# Altium PCB ESIMA_EIS.PcbDoc (part 2 of 3)
Units mm, origin at the board's own origin, x right, y up, seen from the top; angles counter-clockwise.
Board outline 83.45 x 62 mm, 4 copper layers (Top Layer, Signal Layer 1, Signal Layer 2, Bottom Layer), stack 1.583 mm thick; 170 components, 171 nets, 674 pads, 365 vias.
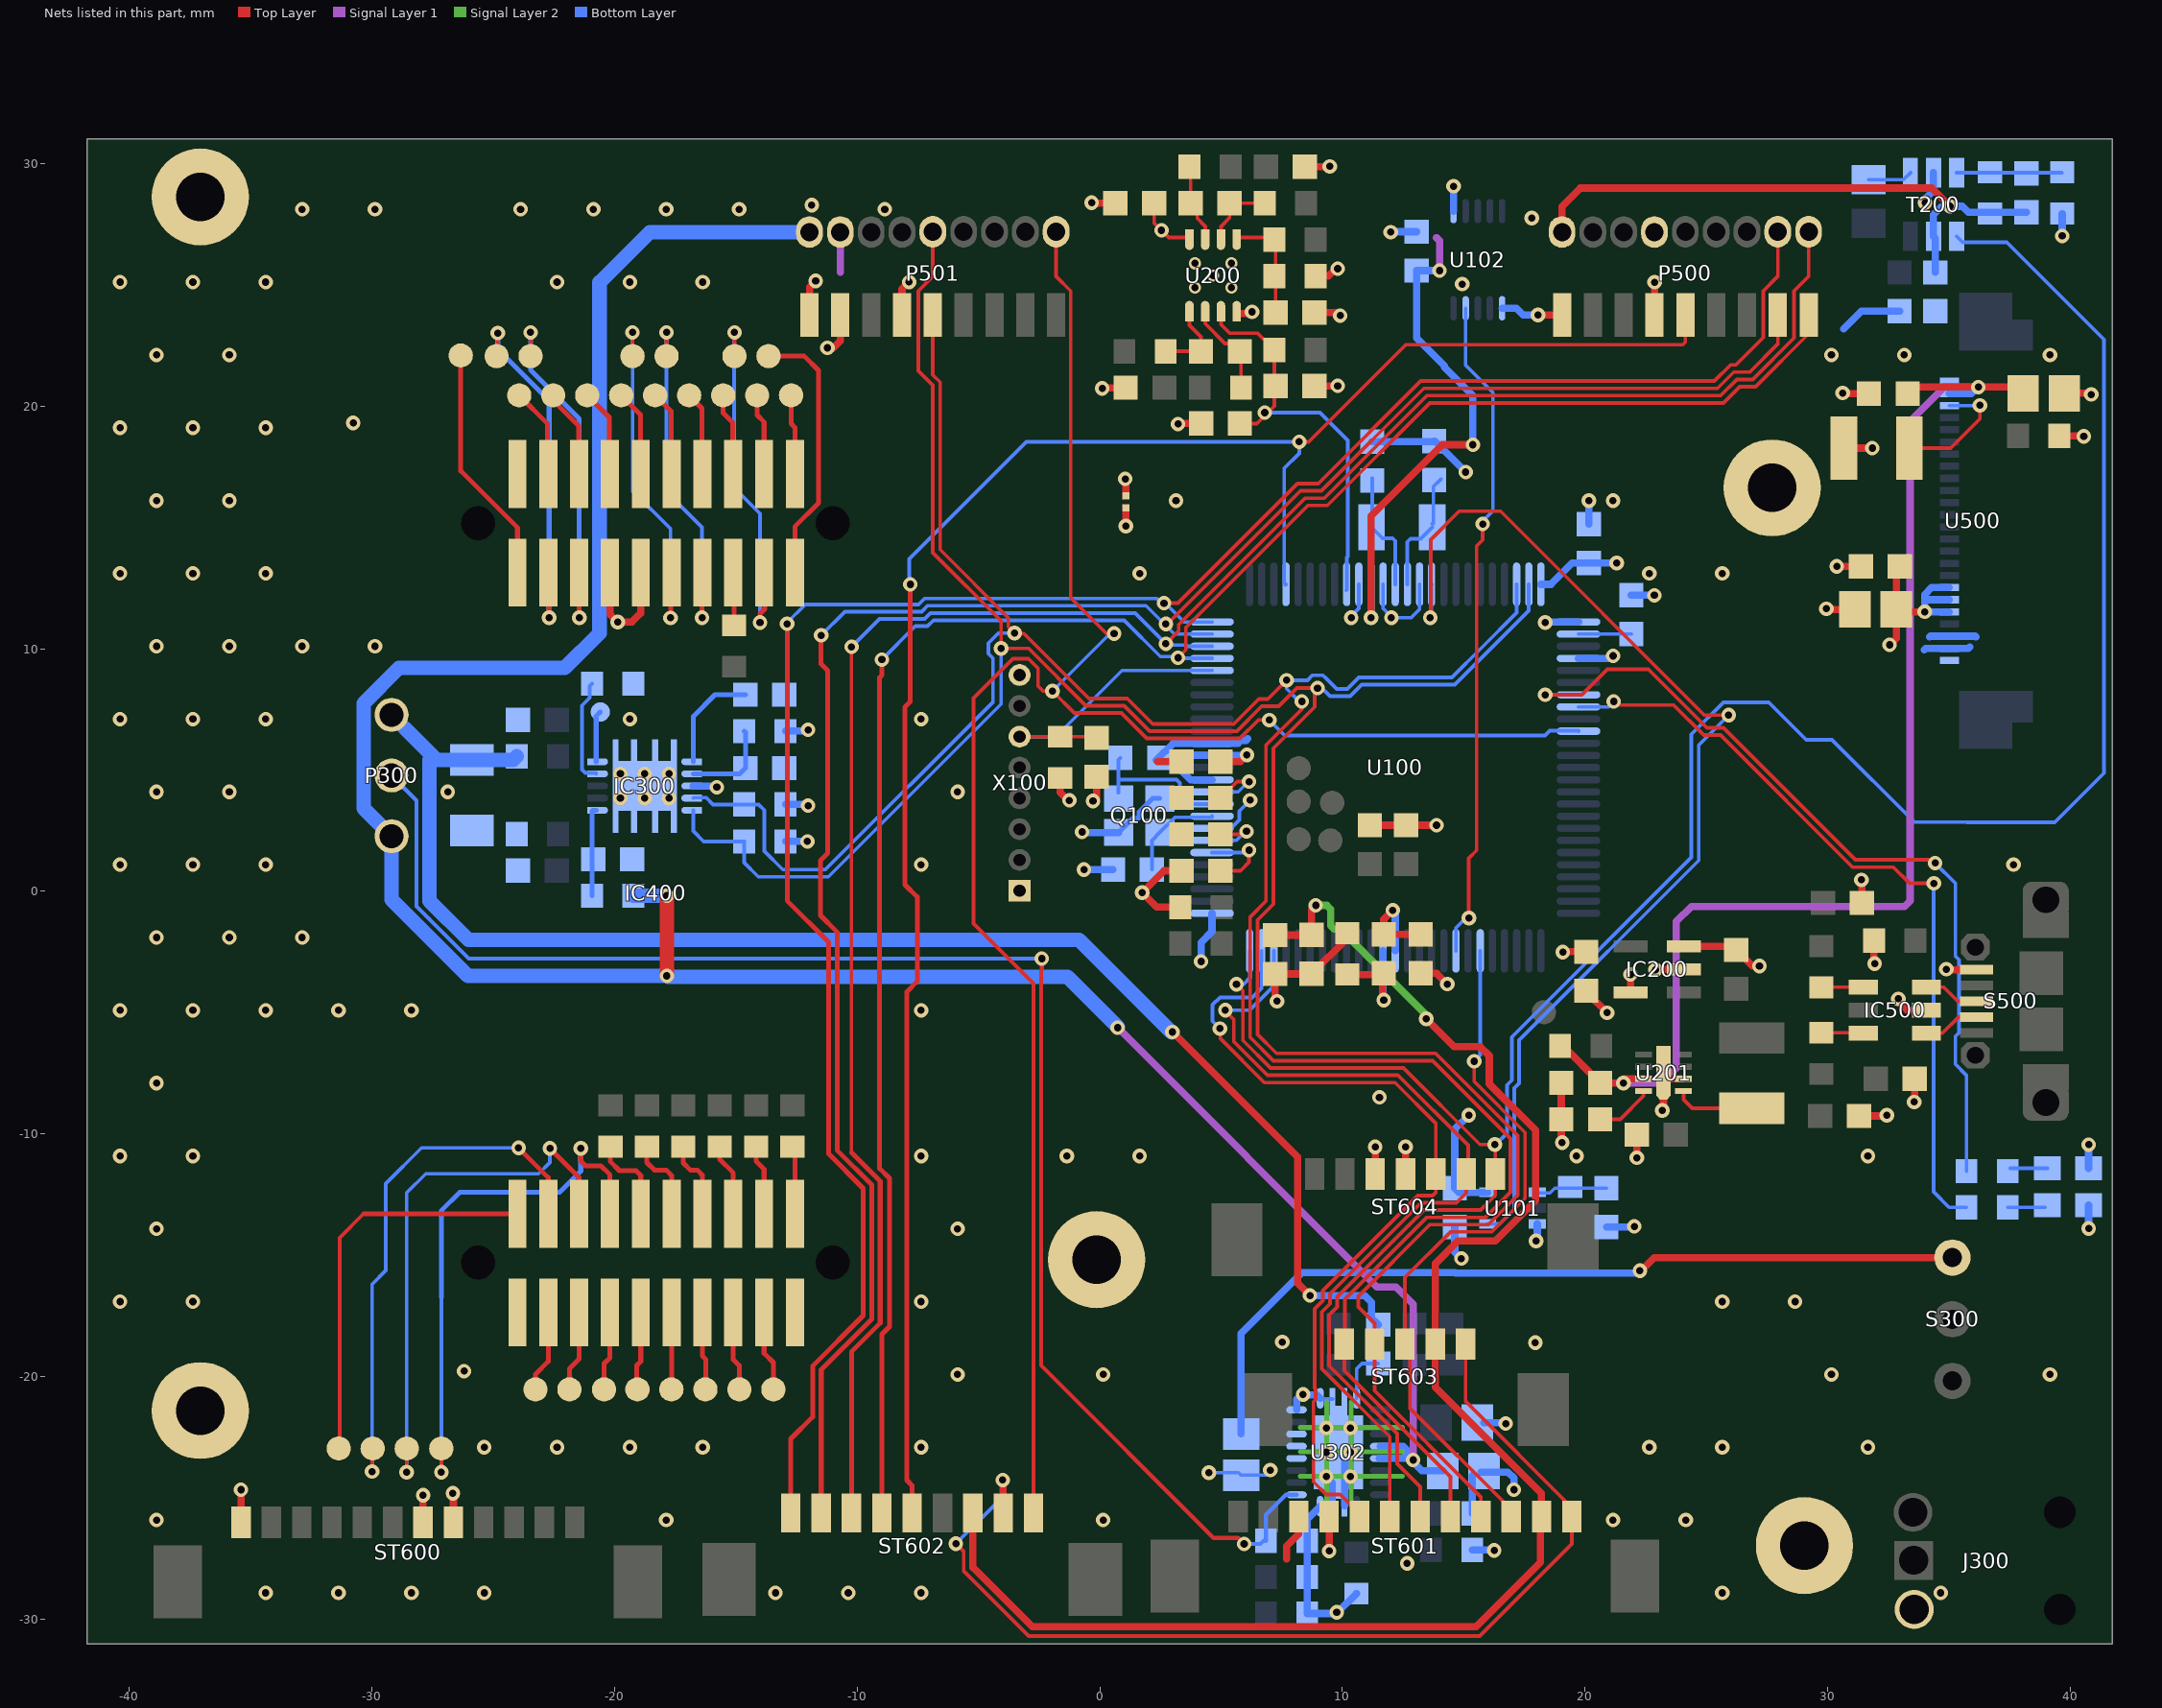
[diagram p4: the nets of this part, all layers, seen from the top]

## Part data
C100 C101 C102 C103 C104 C105 C106 C107 C108 C109 C110 C111 C112 C113 C114 C115 C116 C117 C118 C119 C120 C121 C200 C201 C202 C203 C204 C205 C206 C207 C208 C209 C210 C211 C212 C213 C300 C301 C306 C307 C308 C505 C506 C507: library part "Kondensator SMD Keramik"
C302 C303 C304 C305 C500 C501 C503 C504: library part C0805, "Ceramic Chip Capacitor - Standard"
C502: library part "Cap Pol3", "Polarized Capacitor (Surface Mount)"
D100 D101: library part "LED SMD"
IC200: "Low Output, Adjustable, Ultralow-Power, 100-mA Low Dropout Linear Regulator"
IC300: "i-Ion AND Li-Pol BATTERY GAS GAUGE IC FOR PORTABLE APPLICATIONS"
IC400: library part CC2530EM, "CC2530EM Referenzdesign, Samtec TFM-110-02-S-D-A"
IC500: library part "WE-TVS 2K 3,3V 23_6L"
J300: "Low Voltage Power Supply Connector"
L201: library part Inductor, "Inductor"
LOGO1: "Hahn-Schickard Logo als Footprint"
P300: "Header, 3-Pin"
P500: library part "Header 9X2", "Header, 9-Pin, Dual row"
P501: library part "Header 9X2"
Q100: library part QUARZ
Q101: library part XTAL, "Uhren Quarz - Crystal"
R100 R101 R103 R104 R105 R200 R201 R202 R203 R204 R205 R206 R207 R208 R209 R500 R501 R502 R503: library part "Widerstand SMD"
R102 R300 R301 R302 R303 R304 R305 R306 R307 R309 R310 R311 R312 R313 R314 R315: library part Res2, "Resistor"
R106 R400 R401 R402 R403 R404 R405 R406: library part "RESC1608 (R0603)", "RESC1608 (R0603)"
R308: library part "Res Adj2", "Variable Resistor"
Rs300: library part "RESC1005N (R0402)", "RESC1005N (R0402)"
S300: library part "Schalter universal 1Polig", "Schalter universal 1Polig"
S301: library part SMD_PAD, "SMD-PAD für Debugvorgang"
S500: "Micro USB AB, MOLEX-47589-0001, BOTTOM MOUNT"
ST600 ST601: "Molex Pico 12Pol Blade SMD gerade 533980871"
ST602: "Stecker 9Pol universal"
ST603: "MOLEX - 53398-0571 - STIFTLEISTE, SMT, 1.25MM, 5POL"
ST604: "Molex Pico 7Pol Blade SMD gerade 533980771"
T200: library part "Spannung Wandler - LTC3459ES6"
TP100 TP101 TP102 TP103 TP104 TP105 TP400 TP401 TP402 TP403 TP404 TP405 TP406 TP407 TP408 TP409 TP410 TP411 TP412 TP413 TP414 TP415 TP416 TP417 TP418 TP419 TP420 TP421 TP422 TP423 TP424 TP425 TP426 TP427: library part "Tespoint 1mm"
U100: "20 MHz Mixed Signal Microcontroller with 256 KB Flash, 16384 B SRAM and 74 GPIOs, -40 to 85 degC, 100-pin QFP (PZ), Green (RoHS & no Sb/Br)"
U101: library part MC74VHC1G86DFT1, "2-Input XOR Gate"
U102: "DAC 4 Channel 12-Bit"
U200: "Dual micro Power OP"
U201: "Bost-Konverter"
U302: "Lithum Ion Ladebaustein, Power Path"
U500: "Connector für OLED, 128x64Pixel; 35x17mm / blau"
X1 X2 X3 X4 X5: "Durchkontaktierung d=4mm"
X100: library part "JMP 8*1.27"

## Via types
v1: diameter 0.6, hole 0.3, Top Layer to Bottom Layer, 211 vias
v2: diameter 0.6, hole 0.3, Top Layer to Bottom Layer, tented both sides, 100 vias
v3: diameter 0.6, hole 0.3, Top Layer to Bottom Layer, tented bottom, 49 vias
v4: diameter 0.5, hole 0.3, Top Layer to Bottom Layer, 4 vias
v5: diameter 0.6, hole 0.3, Top Layer to Bottom Layer, tented top, 1 vias

## Nets (pads, with @x,y where several pads share a name; then routed paths per layer and width w, separated by ;. In a path a pad name is that pad's centre, name@x,y a point inside that pad or via, vN(x,y) a via of type N, cw(c..) or ccw(c..) an arc to the next point about the centre after c; other vN are vias at no path point)
3V: C102.1 C116.1 C117.1 C118.1 C119.1 C204.2 C500.2 C501.2 IC200.5 IC400.P2_7 IC400.P2_9 P501.16 R100.2 R106.1 R300.2 R301.2 R303.2 ST600.7 U100.25 U100.64 U100.87 U100.89 U101.5 U500.18 U500.19 U500.20 X100.1 | length 41.8
  Top Layer w0.3: ST600.7@-27.875,-26 v1(-27.875,-24.875) ; IC400.P2_7@-20.176,13.135 -20.176,11.417 v1(-19.856,11.097) -19.273,11.097 -18.906,11.463 IC400.P2_9@-18.906,13.135 ; R100.2@-1.625,4.675 -1.625,4.089 -1.286,3.75 v1(-1.25,3.75) v1@-1.25,3.65 ; C118.1@4.975,5.35 5.79,5.35 v3(6.065,5.625) ; R106.1@10.2,-3.425 11.65,-3.425 11.65,-4.425 v1(11.7,-4.475) ; C119.1@13.225,-3.375 13.875,-3.375 v1(14.322,-3.822) v1@14.322,-3.825 ; C204.2@20.041,-4.09 20.041,-4.141 v1(20.9,-5) ; IC200.5@21.866,-4.165 v1(21.866,-3.425) ; v1(32.539,10.16) 32.814,10.435 C501.2@32.814,11.618 C500.2@32.814,13.243 ; C501.2@32.914,11.518 v1(33.985,11.518)
  Signal Layer 1 w0.3: -10.685,25.505 P501.16@-10.685,27.163
  Bottom Layer w0.3: R301.2@-12.942,2.057 -12.12,2.057 -12.116,2.053 -12.044,2.053 v1(-12.04,2.057) ; R300.2@-12.942,3.581 -11.913,3.581 -11.963,3.531 v1(-12.014,3.531) ; R303.2@-12.942,6.604 -12.065,6.604 v1(-12.014,6.655) ; U100.87@4.625,4.601 3.738,4.601 3.425,4.914 3.425,5.286 3.739,5.6 U100.89@4.625,5.6 6.04,5.6 v3(6.065,5.625) ; U100.64@11.675,-2.45 11.675,-4.45 v1(11.7,-4.475) ; v1(15.204,-9.225) 14.625,-9.804 C102.1@14.625,-12.225 14.8,-12.4 U101.5@15.975,-12.4 ; U100.25@18.175,12.65 18.594,12.65 19.469,13.525 C117.1@20.15,13.525 v1(21.3,13.525) ; U500.20@35.001,11.515 34.998,11.518 v1(33.985,11.518) 33.985,12.065 ; U500.19@35.001,12.015 34.035,12.015 33.985,12.065 ; U500.18@35.001,12.515 34.272,12.515 33.985,12.228 33.985,12.065
12.5V: C210.2 C503.1 C504.1 R207.2 U201.7 U500.2 | length 52
  Top Layer w0.3: R207.2@18.966,-6.365 19.091,-6.365 C210.2@20.616,-7.89 21.566,-7.89 v1(21.576,-7.9) ; v1@21.576,-7.725 U201.7@22.4,-7.725 ; C503.1@33.287,20.507 33.557,20.777 v1(36.195,20.777) 37.733,20.777 38.003,20.507 38.029,20.532 C504.1@38.037,20.523
  Signal Layer 1 w0.3: v1(21.576,-7.9) 23.125,-7.9 23.75,-7.276 23.75,-1.241 24.375,-0.616 33.154,-0.616 33.385,-0.385 33.385,19.373 34.789,20.777 v1(36.195,20.777)
  Bottom Layer w0.3: U500.2@35.001,20.515 35.9,20.515 36.162,20.777 v1(36.195,20.777)
A3V: C106.2 C120.2 C121.1 C200.1 P500.12 R106.2 ST601.12 ST602.8 ST603.5 U100.11 U102.1 U200.8 | length 73.8
  Top Layer w0.15: v1(-5.925,-26.875) -5.6,-27.2 -5.6,-28.005 -2.93,-30.675 15.655,-30.675 19.45,-26.88 ST601.12@19.45,-25.75 19.45,-25.393 15.075,-21.018 ST603.5@15.075,-18.65 ; v1(-3.999,-24.251) v1@-3.975,-24.275 ; C200.1@2.245,28.35 2.245,27.537 v1(2.545,27.237) 2.845,26.937 U200.8@3.695,26.937
  Top Layer w0.3: ST602.8@-3.975,-25.6 v1@-3.975,-24.275 ; v1(7.3,-4.525) 7.225,-4.45 C121.1@7.225,-3.4 8.72,-3.4 C120.2@8.725,-3.395 10.2,-1.92 R106.2@10.2,-1.725 ; v3(11.176,11.276) 11.176,15.471 14.105,18.4 v1(15.375,18.4)
  Signal Layer 1 w0.3: 13.876,26.925 14,26.801 v3(14,25.575)
  Bottom Layer w0.15: v1(-5.925,-26.875) -3.999,-24.949 v1(-3.999,-24.251)
  Bottom Layer w0.3: v3@11.175,11.276 U100.11@11.175,12.65 ; v3(14,25.575) C106.2@13.05,25.575 13.05,22.8 14.2,21.65 14.2,21.595 15.375,20.42 v1(15.375,18.4) ; U102.1@14.575,28.025 v1(14.575,29.05)
A6V: C211.2 C212.2 P500.18 R208.2 T200.5 | length 23.6
  Top Layer w0.3: P500.18@19.045,27.163 19.045,28.22 19.8,28.975 34.275,28.975 v3@34.876,28.374
  Bottom Layer w0.3: T200.5@34.35,26.99 34.35,27.875 34.662,28.188 v3@34.813,28.188 ; C212.2@34.425,25.5 T200.5@34.425,26.915 ; v3(35.025,28.225) 35.534,28.225 35.784,27.975 C211.2@38.175,27.975
AGND: C103.2 C104.2 C106.1 C120.1 C121.2 C200.2 C205.1 C206.1 C207.1 NT100.2 P500.11 P500.17 R206.1 ST601.11 ST602.7 ST603.4 U100.10 U100.12 U100.15 U100.83 U102.6 U200.4 U200.9 | length 88
  Top Layer w0.3: ST602.7@-5.225,-25.6 -5.225,-27.85 -2.775,-30.3 15.5,-30.3 18.15,-27.65 18.15,-25.8 ST601.11@18.2,-25.75 18.2,-24.8 13.825,-20.425 ST603.4@13.825,-18.65 13.825,-15.34 14.761,-14.404 16.293,-14.404 17.95,-12.747 17.95,-9.828 16.05,-7.928 16.05,-6.776 15.674,-6.4 14.6,-6.4 v1(13.45,-5.25) ; v1(-0.33,28.372) -0.308,28.35 C200.2@0.645,28.35 ; v1(0.102,20.726) 0.125,20.75 C205.1@1.07,20.75 ; v1(1.05,16.995) 1.075,17.02 NT100.2@1.075,16.3 ; v1(3.225,19.253) 3.247,19.275 C104.2@4.175,19.275 ; U200.4@5.645,23.812 6.21,23.812 v1(6.274,23.876) ; C121.2@7.225,-1.8 8.72,-1.8 C120.1@8.725,-1.795 8.725,-0.75 v3(8.9,-0.575) ; C206.1@8.445,29.85 9.454,29.85 v1(9.474,29.87) ; C207.1@8.845,23.85 9.78,23.85 v1(9.906,23.724) ; C103.2@8.85,20.825 9.801,20.825 v1(9.804,20.828) ; R206.1@8.895,25.35 9.424,25.35 9.728,25.654 v1(9.804,25.654) v1@9.8,25.65 ; v1(18.059,23.749) 19.039,23.749 P500.17@19.045,23.743 ; P500.11@22.855,23.743 22.855,25.09 v1(22.86,25.095)
  Signal Layer 2 w0.3: v3(8.9,-0.575) 9.352,-0.575 9.513,-0.736 9.513,-1.405 9.658,-1.55 9.907,-1.55 13.45,-5.093 v1(13.45,-5.25)
  Bottom Layer w0.15: U100.83@4.625,2.6 4.654,2.571 5.376,2.571 5.75,2.945 5.75,3.312 v3(6.198,3.759) ; v3(10.363,11.278) 10.363,11.343 10.675,11.655 U100.10@10.675,12.65 ; U100.12@11.675,12.65 11.675,11.665 12.014,11.325 v3(12.014,11.278) 12.827,11.278 13.175,11.626 U100.15@13.175,12.65
  Bottom Layer w0.3: v1(11.989,27.163) 12.001,27.175 C106.1@13.05,27.175 ; U102.6@16.575,24.025 17.174,24.025 17.45,23.749 v1(18.059,23.749)
  other v4: 3.92,24.875 5.42,24.875 3.92,25.875 5.42,25.875
AKKU+: C305.2 P300.3 P501.18 R302.2 U302.5 U302.6 | length 107.6
  Top Layer w0.6: v1(-17.831,-3.48) v1(-17.831,-0.178)
  Signal Layer 1 w0.3: v1(0.737,-5.613) 11.423,-16.3 12.199,-16.3 12.91,-17.011 v1(12.91,-23.425)
  Bottom Layer w0.3: U302.6@11.525,-23.35 12.625,-23.35 12.625,-22.975 12.508,-22.858 U302.5@11.558,-22.858 ; v1(12.91,-23.425) 12.91,-23.507 13.279,-23.876 C305.2@14.136,-23.876
  Bottom Layer w0.6: R302.2@-19.216,-0.178 v1(-17.831,-0.178) ; P501.18@-11.955,27.163 -18.532,27.163 -20.606,25.089 -20.606,10.636 -22.036,9.206 -28.868,9.206 -30.322,7.752 -30.322,3.425 P300.3@-29.172,2.275 -29.172,-0.343 -26.035,-3.48 v1(-17.831,-3.48) -17.792,-3.519 -1.329,-3.519 v1@0.751,-5.599
AKKU_NTC: P300.2 R308.1 U302.12 | length 64.3
  Top Layer w0.17: v1(-2.388,-2.769) -2.388,-3.222 -2.415,-3.249 -2.415,-19.531 4.689,-26.635 5.701,-26.635 v1(5.95,-26.884)
  Bottom Layer w0.17: P300.2@-29.172,4.775 -28.145,3.748 -28.145,-0.613 -27.615,-1.143 -25.99,-2.769 v1(-2.388,-2.769) ; v1(5.95,-26.884) 6.622,-26.884 6.756,-26.75 R308.1@6.85,-26.75 6.85,-25.68 7.672,-24.858 U302.12@8.108,-24.858
CC_CLK: IC400.P1_16 R406.1 | length 3
  Top Layer w0.2: R406.1@-15.655,-10.518 -15.655,-11.041 -15.096,-11.599 IC400.P1_16@-15.096,-13.285
CC_CS: IC400.P1_14 R403.1 | length 3.3
  Top Layer w0.2: R403.1@-17.155,-10.518 -17.155,-11.192 -16.866,-11.481 -16.576,-11.481 -16.366,-11.691 IC400.P1_14@-16.366,-13.285
CC_MISO: IC400.P1_20 R404.1 | length 2.8
  Top Layer w0.2: R404.1@-12.655,-10.518 -12.556,-10.617 IC400.P1_20@-12.556,-13.285
CC_MOSI: IC400.P1_18 R405.1 | length 2.9
  Top Layer w0.2: R405.1@-14.155,-10.518 -14.155,-11.118 -13.826,-11.447 IC400.P1_18@-13.826,-13.285
CC_P0.0: IC400.P1_11 TP415.1 | length 3.2
  Top Layer w0.2: TP415.1@-17.644,-20.517 -17.636,-20.508 IC400.P1_11@-17.636,-17.345
CC_P0.1: IC400.P1_5 TP406.1 | length 3.3
  Top Layer w0.2: TP406.1@-21.844,-20.517 -21.844,-19.66 -21.446,-19.262 IC400.P1_5@-21.446,-17.345
CC_P0.2: IC400.P1_7 TP410.1 | length 3.3
  Top Layer w0.2: TP410.1@-20.419,-20.517 -20.419,-19.454 -20.176,-19.211 IC400.P1_7@-20.176,-17.345
CC_P0.3: IC400.P1_9 TP413.1 | length 3.3
  Top Layer w0.2: TP413.1@-18.992,-20.464 TP413.1@-19.044,-20.517 -19.075,-20.486 -19.075,-19.533 -18.906,-19.363 IC400.P1_9@-18.906,-17.345
CC_P0.4: IC400.P1_3 TP402.1 | length 3.4
  Top Layer w0.2: TP402.1@-23.244,-20.517 -23.244,-19.894 -22.716,-19.365 IC400.P1_3@-22.716,-17.345
CC_P0.5: IC400.P2_18 TP423.1 | length 3.4
  Top Layer w0.2: TP423.1@-14.114,20.437 -14.114,19.623 -13.826,19.336 IC400.P2_18@-13.826,17.195
CC_P0.6: IC400.P1_15 TP421.1 | length 3.3
  Top Layer w0.2: IC400.P1_15@-15.096,-17.345 -15.096,-19.289 -14.844,-19.541 TP421.1@-14.844,-20.517
CC_P0.7: IC400.P1_17 TP424.1 | length 3.3
  Top Layer w0.2: IC400.P1_17@-13.826,-17.345 -13.826,-19.027 -13.444,-19.409 TP424.1@-13.444,-20.517
CC_P1.0: IC400.P1_6 TP407.1 | length 22.7
  Top Layer w0.15: TP407.1@-28.55,-22.95 -28.523,-22.977 -28.549,-23.003 v1(-28.549,-23.928)
  Top Layer w0.2: v1(-22.647,-10.589) -21.446,-11.79 IC400.P1_6@-21.446,-13.285
  Bottom Layer w0.15: v1(-28.549,-23.928) -28.549,-12.42 -27.762,-11.633 -23.114,-11.633 -22.647,-11.167 v1(-22.647,-10.589)
CC_P1.1: IC400.P1_13 TP418.1 | length 3.2
  Top Layer w0.2: IC400.P1_13@-16.366,-17.345 -16.366,-19.143 -16.231,-19.279 -16.231,-20.503 TP418.1@-16.244,-20.517
CC_P1.2: IC400.P2_17 TP425.1 | length 15.6
  Top Layer w0.15: v1(-15.046,23.028) -15.046,22.103 -15.072,22.077 TP425.1@-15.045,22.05
  Top Layer w0.2: v1(-13.995,11.075) -13.995,11.43 -13.792,11.633 -13.792,13.101 IC400.P2_17@-13.826,13.135
  Bottom Layer w0.15: v1@-15.062,23.028 -15.062,16.633 -13.995,15.566 v1(-13.995,11.075)
CC_P1.3: IC400.P1_4 TP403.1 | length 22.4
  Top Layer w0.15: v1(-29.976,-23.901) -29.976,-22.976 TP403.1@-29.95,-22.95 TP403.1@-29.977,-22.923
  Top Layer w0.2: v1(-23.941,-10.564) -22.716,-11.789 IC400.P1_4@-22.716,-13.285
  Bottom Layer w0.15: v1(-29.976,-23.901) -29.976,-16.183 -29.408,-15.615 -29.408,-12.034 -27.937,-10.564 v1(-23.941,-10.564)
CC_P2.0: IC400.P2_19 TP426.1 | length 11
  Top Layer w0.2: TP426.1@-13.645,22.05 -12.169,22.05 -11.582,21.463 -11.582,16.002 -12.556,15.028 IC400.P2_19@-12.556,13.135
CC_P2.1: IC400.P1_10 R402.1 | length 3.7
  Top Layer w0.2: R402.1@-20.155,-10.518 -20.155,-11.138 -19.787,-11.506 -19.101,-11.506 -18.906,-11.701 IC400.P1_10@-18.906,-13.285
CC_P2.2: IC400.P1_12 R401.1 | length 3.5
  Top Layer w0.2: R401.1@-18.655,-10.518 -18.655,-11.165 -18.339,-11.481 -17.856,-11.481 -17.636,-11.701 IC400.P1_12@-17.636,-13.285
CC_RESET: IC400.P2_15 R400.1 | length 2.2
  Top Layer w0.2: IC400.P2_15@-15.096,13.135 -15.062,13.101 R400.1@-15.062,10.959
CO2_EN: ST601.7 ST604.7 T200.4 U100.75 | length 103.8
  Top Layer w0.15: v1@5.65,-3.75 5.575,-3.75 5.575,-3.768 v1(5.633,-3.825) 5.9,-4.092 5.9,-6.141 7.034,-7.275 12.512,-7.275 15.662,-10.425 v1(16.275,-10.425) ; ST601.7@13.2,-25.75 13.2,-24.528 12.25,-23.578 12.25,-22.341 9.45,-19.541 9.45,-17.452 9.786,-17.116 9.786,-16.698 13.355,-13.129 15.696,-13.129 16.3,-12.525 ST604.7@16.3,-11.65 v1@16.3,-10.625
  Bottom Layer w0.15: v1(5.633,-3.825) 5.925,-3.825 6.187,-3.562 6.187,-2.463 U100.75@6.175,-2.45 ; v1(16.275,-10.425) 16.31,-10.425 16.776,-9.959 16.776,-7.98 16.975,-7.781 16.975,-6.001 24.375,1.399 24.375,6.465 24.4,6.49 24.4,6.499 25.691,7.789 27.562,7.789 29.103,6.248 30.163,6.248 33.553,2.858 35.738,2.858 ; T200.4@35.3,26.99 35.551,26.739 37.37,26.739 41.368,22.741 41.368,4.868 39.345,2.845 35.738,2.845
CO2_SCL: ST601.5 ST604.5 U100.74 | length 35.5
  Top Layer w0.15: v1(4.95,-5.65) 4.975,-5.675 4.975,-6.065 6.785,-7.875 12.163,-7.875 13.85,-9.562 ST604.5@13.85,-11.65 13.85,-12.395 13.716,-12.529 13.107,-12.529 9.186,-16.449 9.186,-16.867 8.85,-17.204 8.85,-20.458 8.9,-20.508 8.9,-20.942 8.808,-21.034 8.808,-24.325 9.324,-24.841 9.909,-24.841 10.7,-25.632 ST601.5@10.7,-25.75
  Bottom Layer w0.15: v1(4.95,-5.65) 4.65,-5.35 4.65,-4.673 4.958,-4.365 6.285,-4.365 6.675,-3.975 U100.74@6.675,-2.45
CO2_SDA: ST601.6 ST604.6 U100.73 | length 36.6
  Top Layer w0.15: v1(5.175,-4.89) 5.175,-4.933 5.525,-5.283 5.525,-6.19 6.91,-7.575 12.287,-7.575 15.175,-10.463 15.175,-11.65 ST604.6@15.1,-11.65 15.1,-12.425 14.696,-12.829 13.231,-12.829 9.486,-16.573 9.486,-16.992 9.15,-17.328 9.15,-19.665 11.95,-22.465 ST601.6@11.95,-25.75
  Bottom Layer w0.15: v1(5.175,-4.89) 6.184,-4.89 7.175,-3.899 U100.73@7.175,-2.45
DAC_LOAD: U100.58 U102.9 | length 27.7
  Top Layer w0.15: v3(15.211,-1.1) 15.201,-1.089 15.201,1.367 15.525,1.691 15.525,14.224 15.775,14.474 v1(15.775,15.136)
  Bottom Layer w0.15: U100.58@14.675,-2.45 14.675,-1.5 15.075,-1.1 v3(15.211,-1.1) ; U102.9@15.075,24.025 15.075,21.674 16.2,20.549 16.2,15.675 v1@15.661,15.136 ; v1@15.764,15.136 v1(15.775,15.136)
DMAE0: U100.16 U101.4 | length 46.2
  Top Layer w0.15: v3@13.64,11.276 13.64,14.49 14.811,15.661 16.514,15.661 24.911,7.264 v1(25.908,7.264)
  Bottom Layer w0.15: v3(13.614,11.276) 13.665,11.326 13.665,12.64 U100.16@13.675,12.65 ; U101.4@15.975,-13.7 16.475,-13.7 17.076,-13.099 17.076,-8.104 17.275,-7.906 17.275,-6.125 24.675,1.275 24.675,6.031 v1(25.908,7.264)
FLOW_HTS_DAC: P500.9 ST602.5 U100.4 | length 83
  Top Layer w0.15: ST602.5@-7.805,-25.52 ST602.5@-7.725,-25.6 ; v1(8.217,18.525) 8.608,18.525 12.608,22.525 24.025,22.525 24.125,22.625 P500.9@24.125,23.743
  Top Layer w0.2: v1(-7.805,12.649) -7.805,7.816 -8.026,7.595 -8.026,0.279 -7.518,-0.229 -7.518,-3.708 -7.95,-4.14 -7.95,-24.257 -7.725,-24.482 ST602.5@-7.725,-25.6
  Bottom Layer w0.15: v1(-7.805,12.649) -7.849,12.693 -7.849,13.701 -3.025,18.525 v1(8.217,18.525) 8.217,18.05 7.6,17.433 7.6,12.725 U100.4@7.675,12.65 U100.4@7.65,12.625
FLOW_HTS_SD: P501.2 ST602.9 U100.35 | length 83.9
  Top Layer w0.15: ST602.9@-2.725,-25.6 -2.725,-24.25 -2.725,-3.8 -5.2,-1.325 -5.2,7.97 -3.58,9.59 -2.935,9.59 -2.54,9.195 -2.54,8.458 -2.332,8.25 v1(-1.95,8.25) -1.05,7.35 0.886,7.35 1.936,6.3 5.773,6.3 6.534,7.061 v3(6.985,7.061) ; P501.2@-1.795,27.175 -1.795,25.336 -1.195,24.736 -1.195,12.094 0.274,10.625 v1(0.592,10.625)
  Bottom Layer w0.15: v1(-1.95,8.25) 0.425,10.625 v1(0.592,10.625) ; v3(6.985,7.061) 7.621,6.425 18.342,6.425 18.542,6.625 19.725,6.625 U100.35@19.725,6.6
FLOW_TEMP_DIODE: P500.4 ST602.1 U100.100 | length 91.5
  Top Layer w0.15: v1(-12.876,11.026) v1@-12.775,10.925 ; ST602.1@-12.775,-25.55 ST602.1@-12.725,-25.6 ; v1(2.65,11.875) 3.225,11.875 8.15,16.8 9.004,16.8 13.229,21.025 25.326,21.025 25.995,21.694 26.209,21.694 27.335,22.82 27.335,24.736 27.935,25.336 P500.4@27.935,27.175
  Top Layer w0.2: v1(-12.876,11.026) -12.876,-0.383 -11.17,-2.088 -11.17,-10.807 -9.742,-12.235 -9.742,-17.477 -11.825,-19.56 -11.825,-21.655 -12.725,-22.555 ST602.1@-12.725,-25.6
  Bottom Layer w0.15: v1(-12.876,11.026) -12.876,11.077 -12.128,11.824 -7.463,11.824 -7.219,12.068 2.351,12.068 v1@2.543,11.875 ; v1(2.65,11.875) 2.65,11.925 3.475,11.1 U100.100@4.625,11.1
FLOW_TP1: P500.1 ST602.4 U100.97 | length 83.2
  Top Layer w0.15: v1(3.225,9.625) 3.55,9.95 3.55,10.867 8.583,15.9 9.377,15.9 13.602,20.125 25.699,20.125 26.368,20.794 27.026,20.794 29.205,22.974 P500.1@29.205,23.743
  Top Layer w0.2: ST602.4@-8.975,-25.6 -8.975,-18.246 -8.661,-17.932 -8.661,-11.824 -9.068,-11.418 -9.068,8.813 -8.966,8.915 -8.966,9.541 v1(-8.975,9.55)
  Bottom Layer w0.15: v1(-8.975,9.55) -7.601,10.924 -7.09,10.924 -6.847,11.168 1.007,11.168 2.5,9.675 3.175,9.675 v1(3.225,9.625) 3.251,9.6 U100.97@4.625,9.6
FLOW_TP2: P500.2 ST602.3 U100.98 | length 88.5
  Top Layer w0.15: -10.225,-10.755 v1(-10.225,10.075) ; v1(2.725,10.2) 3.25,10.725 3.25,10.992 8.458,16.2 9.253,16.2 13.478,20.425 25.574,20.425 26.244,21.094 26.901,21.094 28.605,22.798 28.605,24.736 29.205,25.336 P500.2@29.205,27.175
  Top Layer w0.2: ST602.3@-10.225,-25.6 -10.225,-18.963 -9.042,-17.78 -9.042,-11.938 -10.225,-10.755
  Bottom Layer w0.15: v1(-10.225,10.075) -9.076,11.224 -7.214,11.224 -6.971,11.468 1.458,11.468 v1(2.725,10.2) 2.775,10.15 3.5,10.15 3.55,10.1 U100.98@4.625,10.1
FLOW_TPT1: P500.3 ST602.2 U100.99 | length 86.4
  Top Layer w0.15: v1(2.725,11.017) 2.792,11.017 8.274,16.5 9.129,16.5 13.354,20.725 25.45,20.725 26.119,21.394 26.777,21.394 27.935,22.552 P500.3@27.935,23.743
  Top Layer w0.2: ST602.2@-11.475,-25.6 -11.475,-19.705 -9.392,-17.622 -9.392,-12.09 -10.82,-10.662 -10.82,-1.676 -11.506,-0.991 -11.506,1.27 -11.2,1.576 -11.2,9.092 -11.476,9.367 v1(-11.476,10.551)
  Bottom Layer w0.15: v1(-11.476,10.551) -10.502,11.524 -7.339,11.524 -7.095,11.768 1.908,11.768 3.076,10.6 U100.99@4.625,10.6
GND: C100.2 C101.1 C102.2 C105.1 C107.1 C108.2 C109.1 C110.2 C111.1 C112.2 C113.1 C114.2 C115.2 C116.2 C117.2 C118.2 C119.2 C203.1 C204.1 C208.1 C209.1 C210.1 C212.1 C213.1 C300.1 C301.1 C306.1 C307.1 C308.1 C500.1 C501.1 C502.2 C503.2 C504.2 C505.2 C506.2 C507.2 D100.2 D101.2 IC200.2 IC200.3 IC300.3 IC300.11 IC400.P1_1 IC400.P1_19 IC400.P2_2 IC500.2 J300.2 NT100.1 P501.11 P501.15 P501.17 Q100.2 Q100.4 R104.1 R209.1 R314.1 R315.2 R500.2 R503.1 Rs300.1 S500.5 ST600.1 ST600.8 ST601.3 ST601.4 ST604.3 ST604.4 T200.2 U100.26 U100.29 U100.63 U100.76 U100.90 U101.3 U201.2 U201.9 U500.1 U500.22 U500.23 U500.24 X1.1 X2.1 X3.1 X4.1 X5.1 X100.8 | length 87
  Top Layer w0.3: ST600.1@-35.375,-26 v1(-35.375,-24.65) ; v1@-30.768,19.299 v1(-30.751,19.299) ; v1(-26.65,-24.8) -26.625,-24.825 ST600.8@-26.625,-26 ; P501.17@-11.955,23.743 -11.955,24.895 v1(-11.7,25.15) ; v1(-11.22,22.393) v1@-11.184,22.393 ; v1@-11.17,22.408 v1@-11.184,22.393 ; P501.15@-10.685,23.743 -10.685,22.68 -10.972,22.393 v1@-11.184,22.393 ; P501.11@-8.145,23.743 -8.145,24.809 v1(-7.85,25.104) ; v1(-0.275,3.725) -0.175,3.725 -0.125,3.775 C100.2@-0.125,4.725 ; v1(1.075,15.05) NT100.1@1.075,15.8 ; 2.375,5.35 C118.2@3.375,5.35 ; R104.1@3.325,-0.65 2.35,-0.65 v1(1.75,-0.05) 2.65,0.85 C113.1@3.375,0.85 ; 7.7,-27.501 7.7,-26.98 8.2,-26.48 ST601.3@8.2,-25.75 ; v1(9.45,-27.175) ST601.4@9.45,-25.75 ; C114.2@11.125,2.907 C114.2@11.125,2.725 C115.2@12.625,2.725 v3(13.875,2.725) ; ST604.3@11.35,-11.65 v1(11.351,-10.526) ; v1(11.351,-10.526) v1@11.375,-10.55 ; v3(12.075,-0.775) 11.7,-1.15 C116.2@11.7,-1.775 C119.2@13.225,-1.775 ; ST604.4@12.6,-11.65 v1(12.601,-10.526) ; C210.1@19.016,-7.89 C208.1@19.016,-9.39 19.016,-10.315 v1(19.051,-10.351) ; v1(19.076,-2.5) 19.086,-2.49 C204.1@20.041,-2.49 ; C209.1@22.125,-10.025 22.125,-10.974 v1(22.126,-10.976) v1@22.144,-10.958 ; v1@22.926,-3.25 v1(22.901,-3.225) 22.911,-3.215 IC200.2@24.065,-3.215 ; v1(23.176,-9.025) 23.225,-8.977 U201.9@23.225,-7.475 ; U201.9@23.475,-7.725 U201.2@24.05,-7.725 ; IC200.3@24.065,-2.265 26.066,-2.265 C203.1@26.216,-2.415 26.24,-2.415 26.9,-3.075 v1(27.176,-3.075) ; v1@29.964,11.618 C501.1@31.114,11.618 ; v1(30.364,13.393) C500.1@31.364,13.393 ; v1(30.607,20.532) 30.632,20.507 C503.2@31.687,20.507 ; C502.2@30.654,18.263 v1(31.827,18.263) ; C505.2@31.275,-9.25 32.4,-9.25 v1(32.425,-9.225) ; v1(31.375,0.475) 31.4,0.45 C506.2@31.4,-0.475 ; R503.1@31.9,-2.025 31.9,-2.95 v1(31.925,-2.975) ; v5(32.902,-4.425) 32.902,-4.527 33.267,-4.892 IC500.2@34.058,-4.892 ; v1(33.552,-8.675) 33.575,-8.652 C507.2@33.575,-7.725 ; v1(34.875,-3.206) 34.894,-3.225 S500.5@36.12,-3.225 ; R500.2@39.534,18.771 40.513,18.771 v1(40.538,18.745) ; C504.2@39.737,20.523 40.792,20.523 v1(40.843,20.472)
  Bottom Layer w0.2: Q100.4@0.775,2.425 1.375,3.025 1.625,3.025 1.625,3.275 2.175,3.825 Q100.2@2.475,3.825
  Bottom Layer w0.3: IC300.3@-16.745,4.343 -15.977,4.343 -15.926,4.293 v1(-15.773,4.293) ; v1(-0.725,2.45) -0.7,2.425 Q100.4@0.775,2.425 ; v1(-0.65,0.9) C105.1@0.55,0.9 ; C107.1@2.325,5.4 3.025,6.1 U100.90@4.625,6.1 5.692,6.1 5.817,6.225 6.029,6.225 6.098,6.294 ; v1(4.175,-2.886) 4.175,-2.099 4.625,-1.649 U100.76@4.625,-0.9 ; C108.2@11.225,18.525 C111.1@13.75,18.525 ; U100.63@12.175,-2.45 v3@12.175,-0.958 ; C111.1@13.775,18.55 13.801,18.55 v1(15.076,17.275) ; C102.2@14.625,-13.825 14.625,-14.85 v1(14.901,-15.126) v1@14.826,-15.126 ; U101.3@18.025,-13.7 18.025,-14.375 17.999,-14.401 v1(17.976,-14.401) v1@18.05,-14.475 ; v3(18.35,11.075) 18.375,11.1 U100.26@19.725,11.1 ; U100.29@19.725,9.6 21.046,9.6 v1(21.149,9.703) ; C117.2@20.15,15.125 v1(20.15,16.1) ; C101.1@20.875,-13.825 22,-13.825 v1(22.025,-13.8) ; C110.2@21.9,12.2 v1(22.85,12.2) ; 30.65,23.175 31.375,23.9 C213.1@32.95,23.9 ; 33.96,9.95 34.025,10.015 U500.23@35.001,10.015 35.779,10.015 35.839,10.075 ; v3(34,28.375) 34,28.525 34.35,28.875 T200.2@34.35,29.61 ; 34.188,10.483 34.221,10.515 U500.22@35.001,10.515 36.068,10.515 36.093,10.49 ; R209.1@39.65,27.925 39.65,27.003 v1(39.652,27.001) ; D100.2@40.736,-12.93 40.736,-13.895 v1(40.742,-13.89) ; D101.2@40.736,-11.406 40.736,-10.441 v1(40.742,-10.436)
  other v1: 12.666,-27.686 -26.187,-19.761 17.943,-18.593 7.518,-18.567 11.525,-8.484 29.939,11.643 17.8,27.737
  other v2: -34.356,-28.899 -31.356,-28.899 -28.356,-28.899 -25.356,-28.899 -13.356,-28.899 -10.356,-28.899 -7.356,-28.899 25.644,-28.899 34.644,-28.899 -38.856,-25.899 -17.856,-25.899 0.144,-25.899 21.144,-25.899 24.144,-25.899 -25.356,-22.899 -22.356,-22.899 -19.356,-22.899 -16.356,-22.899 -7.356,-22.899 22.644,-22.899 25.644,-22.899 31.644,-22.899 -5.856,-19.899 0.144,-19.899 30.144,-19.899 39.144,-19.899 -40.356,-16.899 -37.356,-16.899 -7.356,-16.899 25.644,-16.899 28.644,-16.899 -38.856,-13.899 -5.856,-13.899 -40.356,-10.9 -37.356,-10.9 -7.356,-10.9 -1.356,-10.9 1.644,-10.9 19.644,-10.9 31.644,-10.9 -38.856,-7.9 -40.356,-4.9 -37.356,-4.9 -34.356,-4.9 -31.356,-4.9 -28.356,-4.9 -7.356,-4.9 -38.856,-1.9 -35.856,-1.9 -32.856,-1.9 -40.356,1.1 -37.356,1.1 -34.356,1.1 -7.356,1.1 37.644,1.1 -38.856,4.1 -35.856,4.1 -26.856,4.1 -5.856,4.1 -40.356,7.1 -37.356,7.1 -34.356,7.1 -19.356,7.1 -7.356,7.1 -38.856,10.1 -35.856,10.1 -32.856,10.1 -29.856,10.1 -40.356,13.1 -37.356,13.1 -34.356,13.1 1.644,13.1 22.644,13.1 25.644,13.1 -38.856,16.1 -35.856,16.1 3.144,16.1 21.144,16.1 -40.356,19.1 -37.356,19.1 -34.356,19.1 -38.856,22.1 -35.856,22.1 30.144,22.1 33.144,22.1 39.144,22.1 -40.356,25.1 -37.356,25.1 -34.356,25.1 -22.356,25.1 -19.356,25.1 -16.356,25.1 -32.856,28.1 -29.856,28.1 -23.856,28.1 -20.856,28.1 -17.856,28.1 -14.856,28.1 -8.856,28.1 -11.862,28.27
  other v3: 14.935,25.019
GND_BQ: C302.1 C303.2 C304.2 C305.1 P300.1 R304.1 R305.1 R306.1 R307.1 R308.2 R309.2 R313.1 Rs300.2 U302.11 U302.19 U302.20 U302.21 | length 102.8
  Top Layer w0.3: v1(2.997,-5.791) 8.15,-10.944 8.15,-16.138 v1(8.661,-16.65)
  Signal Layer 2 w0.2: 8.256,-24.089 U302.21@9.352,-24.089 ; 8.256,-23.089 U302.21@9.352,-23.089 ; 8.256,-22.089 U302.21@9.352,-22.089 ; 9.352,-25.243 U302.21@9.352,-24.089 ; 9.352,-21.031 U302.21@9.352,-22.089 ; 10.352,-25.243 U302.21@10.352,-24.089 ; 10.352,-21.031 U302.21@10.352,-22.089 ; 12.468,-24.089 U302.21@10.352,-24.089 ; 12.468,-23.089 U302.21@10.352,-23.089 ; 12.468,-22.089 U302.21@10.352,-22.089 ; U302.21@9.352,-24.089 U302.21@10.352,-24.089 ; U302.21@9.352,-24.089 U302.21@9.352,-23.089 ; U302.21@9.352,-23.089 U302.21@9.352,-22.089 ; U302.21@9.352,-23.089 U302.21@10.352,-23.089 ; U302.21@9.352,-22.089 U302.21@10.352,-22.089 ; U302.21@10.352,-24.089 U302.21@10.352,-23.089 ; U302.21@10.352,-23.089 U302.21@10.352,-22.089
  Bottom Layer w0.15: v1(4.5,-23.95) 5.725,-23.95 C304.2@5.825,-24.05 6.818,-24.05 v1(7.025,-23.843) ; U302.20@9.108,-20.908 U302.21@9.583,-20.908
  Bottom Layer w0.3: U302.19@8.108,-21.358 8.108,-20.935 8.318,-20.725 v1(8.375,-20.725) 8.4,-20.75 8.95,-20.75 U302.20@9.083,-20.883 ; v1(8.661,-16.65) 10.925,-16.65 11.2,-16.925 11.2,-17.575 C303.2@11.475,-17.85 ; U302.11@9.083,-25.333 8.55,-25.866 R308.2@8.55,-26.75 R304.1@8.55,-29.75 9.8,-29.75 9.8,-29.736 v1(9.764,-29.7) 9.8,-29.7 R307.1@10.575,-28.925 ; U302.21@9.333,-24.108 9.583,-24.358 U302.21@9.583,-25.308 ; U302.21@9.833,-23.108 10.083,-23.358 U302.21@10.083,-25.308 ; R305.1@15.35,-27.125 16.224,-27.125 v1(16.251,-27.151) ; R306.1@15.35,-25.625 C305.1@15.35,-24.075 ; C305.1@15.7,-23.925 16.815,-23.925 17.063,-24.173 v1(17.063,-24.65) ; C302.1@15.825,-21.9 v1@16.699,-21.9
  Bottom Layer w0.6: -28.642,6.745 -27.309,5.412 ; R313.1@-24.015,5.563 -24.165,5.412 Rs300.2@-25.857,5.412 -27.309,5.412 ; v1@2.972,-5.817 -0.845,-2 -26.002,-2 -27.61,-0.392 -27.61,5.412 -27.309,5.412
  other v1: 16.726,-21.926
LEDGE: R103.2 U100.33 | length 32.2
  Top Layer w0.15: v1(21.175,7.825) 21.32,7.68 23.646,7.68 24.887,6.439 25.573,6.439 31.013,1 32.692,1 33.362,0.33 v1(34.366,0.33)
  Bottom Layer w0.15: U100.33@19.725,7.6 20.95,7.6 v1(21.175,7.825) ; v1@34.35,0.314 34.35,-12.379 34.991,-13.02 R103.2@35.703,-13.02
LEDGN: R105.2 U100.32 | length 34.5
  Top Layer w0.15: v3(18.35,8.1) 19.858,8.1 20.909,9.15 22.601,9.15 25.011,6.739 25.698,6.739 31.137,1.3 34.285,1.3 v1(34.417,1.168)
  Bottom Layer w0.15: v3(18.35,8.1) U100.32@19.725,8.1 ; v1(34.417,1.168) 35.25,0.335 35.25,-2.668 35.4,-2.818 35.4,-5.825 35.25,-5.975 35.25,-7.118 35.703,-7.571 R105.2@35.703,-11.521
LIGHT_IRQ: ST601.10 ST603.3 U100.56 | length 29.2
  Top Layer w0.15: v1(15.425,-7) 15.425,-7.833 17.525,-9.933 17.525,-12.642 16.138,-14.029 14.446,-14.029 12.575,-15.9 ST603.3@12.575,-18.65 12.775,-18.85 12.775,-21.29 16.775,-25.29 16.915,-25.29 16.95,-25.325 ST601.10@16.95,-25.75
  Bottom Layer w0.15: v1(15.425,-7) 15.675,-6.75 U100.56@15.675,-2.45
LIGHT_SCL: IC300.4 P501.9 R300.1 ST601.8 ST603.1 U100.23 | length 111.6
  Top Layer w0.15: P501.9@-6.875,23.743 -6.875,21.279 -6.575,20.979 -6.575,14.08 -3.764,11.269 -3.764,10.901 v1(-3.505,10.643) -3.488,10.625 -3.122,10.625 -0.447,7.95 1.134,7.95 2.184,6.9 5.524,6.9 6.549,7.925 6.925,7.925 v3(7.7,8.7) ; v3@7.6,8.7 v3@7.6,8.708 ; v3(8.325,7.825) 8.325,7.497 6.85,6.022 6.85,-0.4 6.2,-1.051 6.2,-6.017 7.158,-6.975 13.718,-6.975 16.925,-10.182 16.925,-12.393 15.889,-13.429 13.48,-13.429 10.1,-16.808 10.1,-18.575 10.175,-18.65 ST603.1@10.075,-18.65 10.075,-19.742 14.45,-24.117 ST601.8@14.45,-25.75
  Bottom Layer w0.15: IC300.4@-16.745,3.843 -16.728,3.861 -16.205,3.861 -15.926,3.581 R300.1@-14.642,3.581 -14.051,3.581 -13.818,3.348 -13.818,1.665 -13.053,0.9 -11.303,0.9 -4.394,7.809 -4.394,9.595 -4.589,9.79 -4.589,10.225 -4.171,10.643 v1(-3.505,10.643) ; v3(8.325,7.825) 8.225,7.825 7.7,8.35 v3(7.7,8.7) 8.558,8.7 8.758,8.9 9.192,8.9 9.279,8.814 9.291,8.814 9.765,8.34 10.2,8.34 10.674,8.814 14.507,8.814 15.726,10.033 17.175,11.482 U100.23@17.175,12.65
LIGHT_SDA: IC300.5 P501.10 R301.1 ST601.9 ST603.2 U100.24 | length 115.1
  Top Layer w0.15: P501.10@-6.875,27.175 -6.875,25.336 -7.475,24.736 -7.475,21.45 -6.875,20.85 -6.875,13.954 -4.064,11.143 v1(-4.064,10.008) -2.929,10.008 -0.571,7.65 1.01,7.65 2.06,6.6 5.649,6.6 6.674,7.625 7.375,7.625 8.125,8.375 v3(8.975,8.375) 8.85,8.25 8.85,7.598 7.15,5.898 7.15,-0.525 6.5,-1.175 6.5,-5.892 7.283,-6.675 13.842,-6.675 17.225,-10.058 17.225,-12.517 16.014,-13.729 13.604,-13.729 10.65,-16.683 10.65,-17.117 11.325,-17.792 ST603.2@11.325,-18.65 11.325,-20.567 15.7,-24.942 ST601.9@15.7,-25.75
  Bottom Layer w0.15: IC300.5@-16.745,3.343 -16.745,2.489 -16.313,2.057 R301.1@-14.642,2.057 -14.642,1.18 -14.062,0.6 -11.179,0.6 -4.064,7.715 v1(-4.064,10.008) ; v3@9.025,8.5 9.485,8.04 10.324,8.04 10.798,8.514 14.631,8.514 17.675,11.558 U100.24@17.675,12.65
MSP_RESET: C100.1 R100.1 U100.96 X100.6 | length 12.2
  Top Layer w0.15: X100.6@-3.3,6.375 -0.175,6.375 C100.1@-0.125,6.325
  Bottom Layer w0.15: X100.6@-3.3,6.375 -1.808,6.375 0.917,9.1 U100.96@4.625,9.1
NetC101_2: C101.2 R101.1 U101.1 | length 2.9
  Bottom Layer w0.15: U101.1@18.05,-12.425 18.55,-12.425 18.75,-12.225 C101.2@20.875,-12.225
NetC103_1: C103.1 C104.1 R202.1 U100.9 U200.3 | length 17.2
  Top Layer w0.15: U200.3@4.995,23.812 4.995,23.35 5.345,23 6.495,23 R202.1@7.195,22.3 7.195,19.995 6.475,19.275 C104.1@5.775,19.275
  Bottom Layer w0.15: v1(6.8,19.725) 9.074,19.725 10.218,18.581 10.218,13.793 10.175,13.75 10.175,12.425 U100.9@10.15,12.4
NetC105_2: C105.2 Q100.3 U100.84 | length 4.1
  Bottom Layer w0.15: C105.2@2.15,0.9 2.15,2.1 Q100.3@2.475,2.425 3.1,3.05 4.625,3.05 U100.84@4.625,3.1
NetC107_2: C107.2 Q100.1 U100.85 | length 6
  Bottom Layer w0.15: Q100.1@0.775,4.075 0.775,4.566 0.775,5.425 C107.2@0.85,5.5 ; 0.809,4.6 3.168,4.6 3.3,4.468 3.3,3.857 3.557,3.6 U100.85@4.625,3.6
NetC108_1: C108.1 Q101.2 U100.13 | length 4.6
  Bottom Layer w0.15: Q101.2@11.2,15 11.65,14.55 12.066,14.55 12.175,14.441 U100.13@12.175,12.65 ; Q101.2@11.225,15.451 C108.1@11.225,17.025
NetC109_2: C109.2 U100.82 | length 2.6
  Top Layer w0.15: C109.2@4.975,2.35 v3@5.955,2.35
  Bottom Layer w0.15: U100.82@4.625,2.1 5.625,2.1 6,2.475 v3(6.05,2.475)
NetC110_1: C110.1 U100.27 | length 2.2
  Bottom Layer w0.15: U100.27@19.725,10.6 C110.1@21.9,10.6
NetC111_2: C111.2 Q101.1 U100.14 | length 5
  Bottom Layer w0.15: U100.14@12.675,12.65 12.675,14.4 12.801,14.526 13.226,14.526 Q101.1@13.7,15 ; Q101.1@13.7,15.15 13.75,15.15 13.75,16.675 C111.2@14.05,16.975
NetC112_1: C112.1 U100.86 | length 3.2
  Top Layer w0.15: C112.1@4.97,3.85 4.993,3.85 5.664,4.521 v3(6.15,4.521)
  Bottom Layer w0.15: U100.86@4.625,4.1 5.7,4.1 6.122,4.521 v3(6.15,4.521)
NetC113_2: C113.2 U100.81 | length 3.4
  Top Layer w0.15: C113.2@4.975,0.85 5.8,0.85 6.15,1.2 v3(6.15,1.7)
  Bottom Layer w0.15: U100.81@4.625,1.6 6.05,1.6 v3(6.15,1.7)
NetC201_1: C201.1 R204.1 U200.1 | length 3.2
  Top Layer w0.15: R204.1@2.72,22.25 C201.1@4.17,22.25 4.17,22.85 3.695,23.325 U200.1@3.695,23.812
NetC201_2: C201.2 R200.2 U200.2 | length 3.8
  Top Layer w0.15: U200.2@4.345,23.812 4.345,23.393 5.163,22.575 5.445,22.575 C201.2@5.77,22.25 ; R200.2@5.82,20.75 C201.2@5.82,22.2
NetC202_1: C202.1 R205.1 U200.7 | length 3.1
  Top Layer w0.15: R205.1@3.745,29.8 C202.1@3.745,28.35 4.02,28.075 4.02,27.725 4.345,27.4 U200.7@4.345,26.937
NetC202_2: C202.2 R201.2 U200.6 | length 3
  Top Layer w0.15: U200.6@4.995,26.937 4.995,27.4 5.345,27.75 C202.2@5.345,28.35 R201.2@6.795,28.35
NetC207_2: C207.2 R203.1 R206.2 U200.5 | length 4.6
  Top Layer w0.15: U200.5@5.645,26.937 7.108,26.937 R203.1@7.195,26.85 7.245,26.8 C207.2@7.245,23.85
NetC208_2: C208.2 U201.8 | length 2.4
  Top Layer w0.15: C208.2@20.616,-9.39 21.442,-9.39 22.4,-8.432 U201.8@22.4,-8.225
NetC211_1: C211.1 R208.1 R209.2 T200.3 | length 4.3
  Bottom Layer w0.15: T200.3@35.3,29.61 R209.2@39.635,29.61
NetC300_2: C300.2 IC300.2 R303.1 | length 3.8
  Bottom Layer w0.2: IC300.2@-16.745,4.843 -14.831,4.843 C300.2@-14.592,5.082 -14.592,6.554 R303.1@-14.642,6.604
NetC301_2: C301.2 IC300.1 | length 4.4
  Bottom Layer w0.2: IC300.1@-16.745,5.343 -16.745,7.207 -15.85,8.103 C301.2@-14.592,8.103
NetC303_1: C303.1 U302.1 | length 2.2
  Bottom Layer w0.15: U302.1@10.583,-20.883 10.583,-19.667 10.8,-19.45 C303.1@11.475,-19.45
NetC304_1: C304.1 S300.2 U302.15 U302.16 U302.17 | length 34.8
  Top Layer w0.3: v1(22.251,-15.626) 22.296,-15.626 22.837,-15.085 34.874,-15.085 S300.2@35.002,-15.214
  Bottom Layer w0.3: C304.1@5.825,-22.35 5.825,-18.213 8.335,-15.703 14.63,-15.703 14.652,-15.726 22.151,-15.726 v1(22.251,-15.626) v1@22.101,-15.626
NetC308_2: C308.2 IC300.6 R302.1 | length 3.7
  Bottom Layer w0.2: R302.1@-20.916,-0.178 -20.916,3.302 -20.875,3.343 IC300.6@-20.745,3.343
NetC502_1: C502.1 U500.3 | length 5.2
  Top Layer w0.15: C502.1@33.354,18.263 35.052,18.263 36.261,19.471 v1(36.261,20.027)
  Bottom Layer w0.15: U500.3@35.001,20.015 v1@36.249,20.015
NetD100_1: D100.1 R103.1 | length 1.5
  Bottom Layer w0.15: R103.1@37.403,-13.02 D100.1@38.946,-13.02
NetD101_1: D101.1 R105.1 | length 1.5
  Bottom Layer w0.15: R105.1@37.519,-11.406 D101.1@39.036,-11.406
NetIC300_9: IC300.9 R315.1 | length 4.4
  Bottom Layer w0.15: R315.1@-20.916,8.56 -21.006,8.47 -21.006,7.976 -21.325,7.656 -21.325,5.018 -21.184,4.877 -20.745,4.877 IC300.9@-20.745,4.843
NetIC300_10: IC300.10 S301.1 | length 2.1
  Bottom Layer w0.2: IC300.10@-20.745,5.343 -20.745,7.22 S301.1@-20.574,7.391
NetIC400_P1_2: IC400.P1_2 TP400.1 | length 16.4
  Top Layer w0.15: TP400.1@-31.35,-22.95 -31.312,-22.912 -31.312,-14.268 -30.328,-13.285
  Top Layer w0.2: -30.328,-13.285 IC400.P1_2@-23.986,-13.285
NetIC400_P1_8: IC400.P1_8 TP411.1 | length 22.7
  Top Layer w0.15: TP411.1@-27.125,-22.95 -27.098,-22.977 -27.124,-23.003 v1(-27.124,-23.928)
  Top Layer w0.2: v1(-21.376,-10.589) -21.376,-11.111 -21.184,-11.303 -20.549,-11.303 -20.176,-11.676 IC400.P1_8@-20.176,-13.285
  Bottom Layer w0.15: v1(-27.124,-23.928) -27.124,-16.716
  Bottom Layer w0.2: -27.124,-16.716 -27.124,-13.154 -26.37,-12.4 -22.255,-12.4 -21.376,-11.52 v1(-21.376,-10.589)
NetIC400_P2_1: IC400.P2_1 TP401.1 | length 9.9
  Top Layer w0.2: TP401.1@-26.321,22.078 -26.321,17.322 -23.986,14.986 IC400.P2_1@-23.986,13.135
NetIC400_P2_3: IC400.P2_3 TP405.1 | length 15.5
  Top Layer w0.15: v1(-24.796,23.003) -24.796,22.078 -24.822,22.052 TP405.1@-24.795,22.025
  Top Layer w0.2: IC400.P2_3@-22.716,13.135 -22.682,13.101 v1(-22.682,11.278)
  Bottom Layer w0.2: v1(-24.796,23.003) -24.796,22.332 -22.682,20.218 v1(-22.682,11.278)
NetIC400_P2_4: IC400.P2_4 TP404.1 | length 3.7
  Top Layer w0.2: TP404.1@-23.914,20.437 -23.914,20.434 -22.743,19.263 -22.743,17.223 IC400.P2_4@-22.716,17.195
NetIC400_P2_5: IC400.P2_5 TP409.1 | length 15.4
  Top Layer w0.15: v1(-23.446,23.028) -23.446,22.103 -23.472,22.077 TP409.1@-23.445,22.05
  Top Layer w0.2: IC400.P2_5@-21.446,13.135 -21.438,13.127 v1(-21.438,11.278)
  Bottom Layer w0.2: v1(-23.446,23.028) -23.446,21.477 -21.438,19.469 v1(-21.438,11.278)
NetIC400_P2_6: IC400.P2_6 TP408.1 | length 3.7
  Top Layer w0.2: TP408.1@-22.514,20.437 -22.514,20.233 -21.473,19.193 -21.473,17.223 IC400.P2_6@-21.446,17.195
NetIC400_P2_8: IC400.P2_8 TP412.1 | length 3.6
  Top Layer w0.2: TP412.1@-21.114,20.437 -20.203,19.526 -20.203,17.223 IC400.P2_8@-20.176,17.195
NetIC400_P2_10: IC400.P2_10 TP414.1 | length 3.6
  Top Layer w0.2: TP414.1@-19.714,20.437 -18.924,19.647 -18.924,17.213 IC400.P2_10@-18.906,17.195
NetIC400_P2_11: IC400.P2_11 TP416.1 | length 15.3
  Top Layer w0.15: v1(-19.246,23.028) -19.246,22.103 -19.272,22.077 TP416.1@-19.245,22.05
  Top Layer w0.2: v1(-17.678,11.269) -17.678,13.093 IC400.P2_11@-17.636,13.135
  Bottom Layer w0.15: v1(-19.246,23.028) -19.246,16.503 -17.678,14.935 v1(-17.678,11.269)
NetIC400_P2_12: IC400.P2_12 TP417.1 | length 3.5
  Top Layer w0.2: TP417.1@-18.314,20.437 -17.654,19.777 -17.654,17.213 IC400.P2_12@-17.636,17.195
NetIC400_P2_13: IC400.P2_13 TP419.1 | length 15.2
  Top Layer w0.15: TP419.1@-17.845,22.05 -17.872,22.077 -17.846,22.103 v1(-17.846,23.028)
  Top Layer w0.2: v1(-16.383,11.278) -16.383,13.118 IC400.P2_13@-16.366,13.135
  Bottom Layer w0.15: v1(-17.846,23.028) -17.846,16.466 -16.383,15.003 v1(-16.383,11.278)
NetIC400_P2_14: IC400.P2_14 TP420.1 | length 3.5
  Top Layer w0.2: TP420.1@-16.914,20.437 -16.384,19.907 -16.384,17.213 IC400.P2_14@-16.366,17.195
NetIC400_P2_16: IC400.P2_16 TP422.1 | length 3.4
  Top Layer w0.2: TP422.1@-15.514,20.437 -15.514,19.71 -15.114,19.31 -15.114,17.213 IC400.P2_16@-15.096,17.195
NetIC400_P2_20: IC400.P2_20 TP427.1 | length 3.3
  Top Layer w0.2: TP427.1@-12.714,20.437 -12.714,19.272 -12.556,19.115 IC400.P2_20@-12.556,17.195
NetIC500_1: IC500.1 S500.2 | length 2.3
  Top Layer w0.15: IC500.1@34.058,-5.842 34.708,-5.842 35.375,-5.175 S500.2@36.12,-5.175
NetIC500_3: IC500.3 S500.3 | length 2.3
  Top Layer w0.15: IC500.3@34.058,-3.942 34.767,-3.942 35.35,-4.525 S500.3@36.12,-4.525
NetIC500_4: IC500.4 R502.1 | length 1.7
  Top Layer w0.15: R502.1@29.733,-3.942 IC500.4@31.458,-3.942
NetIC500_6: IC500.6 R501.1 | length 1.7
  Top Layer w0.15: R501.1@29.725,-5.825 IC500.6@31.441,-5.825
NetL200_2: L200.2 T200.1 | length 1.8
  Bottom Layer w0.15: L200.2@31.675,29.325 33.115,29.325 T200.1@33.4,29.61
NetL201_2: L201.2 U201.1 | length 3.3
  Top Layer w0.15: U201.1@24.05,-8.225 24.05,-8.575 24.415,-8.94 L201.2@26.866,-8.94